# Altium PCB EDA-03518-V3-0_pcb.pcbdoc (part 1 of 14) (continued)
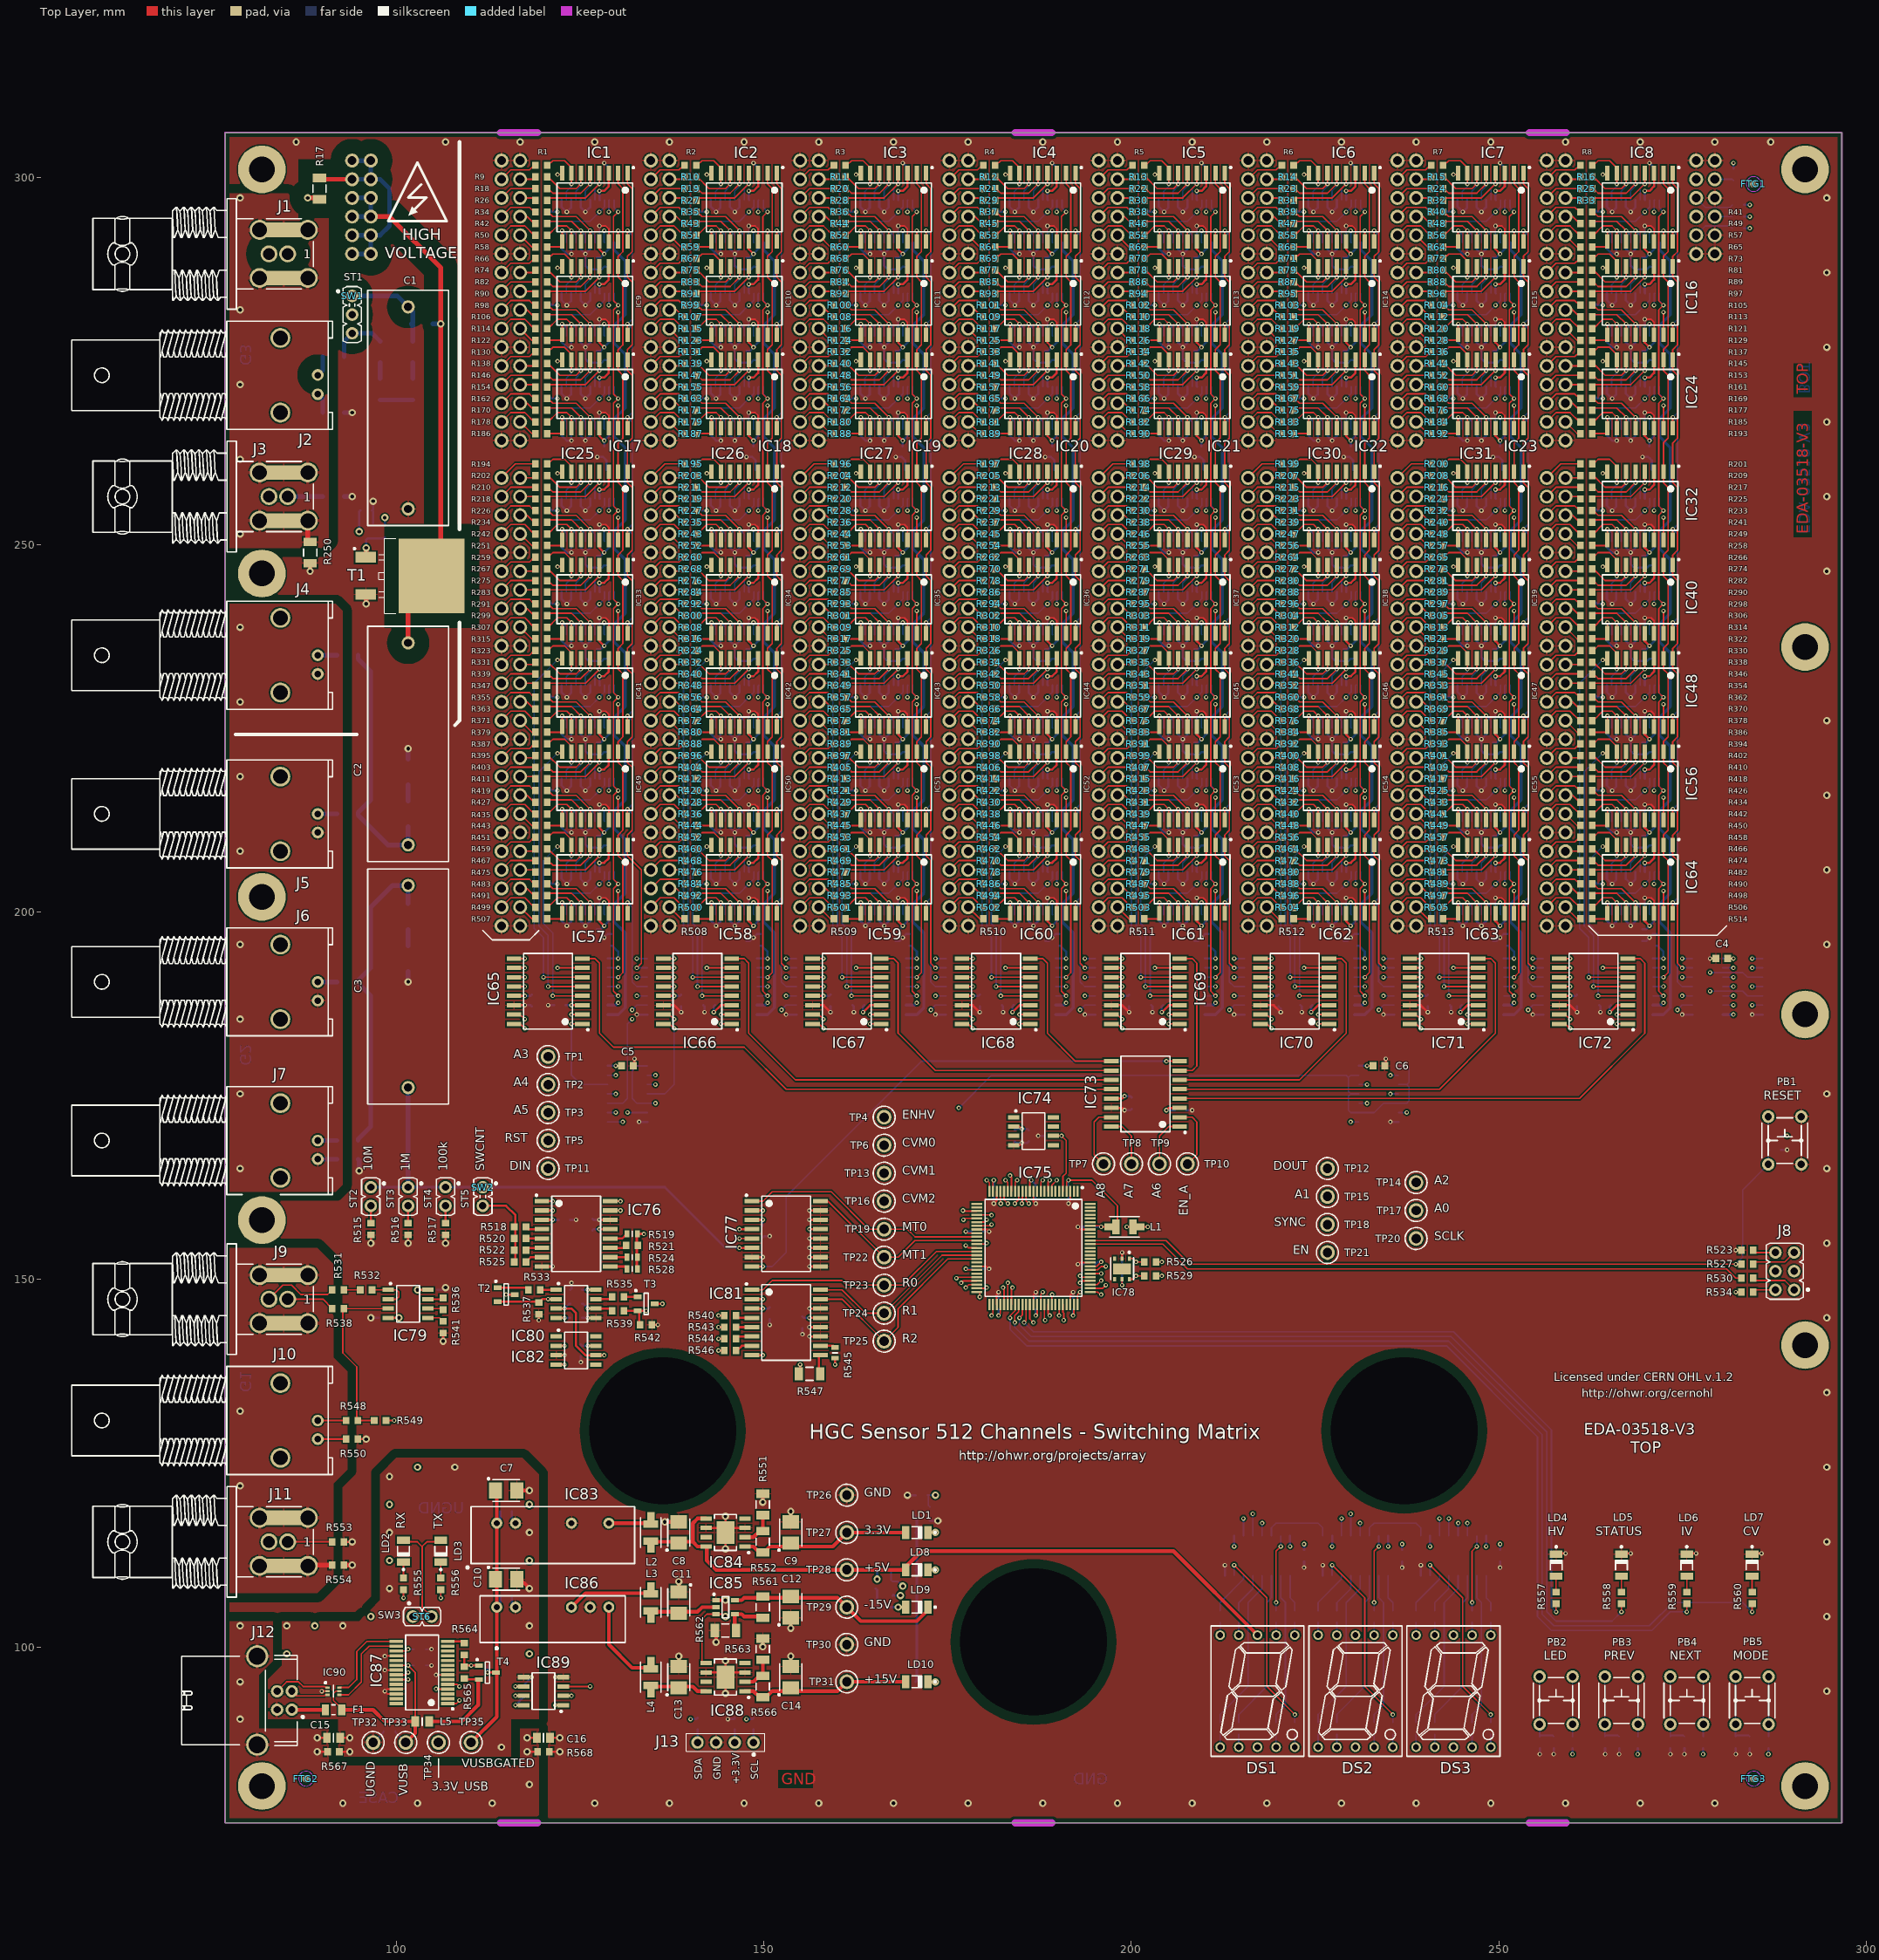
[diagram p0: Top Layer view]
## Design rules (kind name [scope] priority, off if disabled: settings) (continued)
RoomDefinition 73 [InComponentClass('73')] p12: confinementstyle=ConfineIn formatcopy=TRUE lockcomponents=FALSE outline 158.115,286.385 173.99,286.385 173.99,302.895 158.115,302.895
RoomDefinition 72 [InComponentClass('72')] p13: confinementstyle=ConfineIn formatcopy=TRUE lockcomponents=FALSE outline 137.795,286.385 153.67,286.385 153.67,302.895 137.795,302.895
RoomDefinition 71 [InComponentClass('71')] p14: confinementstyle=ConfineIn formatcopy=TRUE lockcomponents=FALSE outline 117.475,286.385 133.35,286.385 133.35,302.895 117.475,302.895
RoomDefinition 68 [InComponentClass('68')] p15: confinementstyle=ConfineIn formatcopy=TRUE lockcomponents=FALSE outline 259.715,273.685 275.59,273.685 275.59,290.195 259.715,290.195
RoomDefinition 67 [InComponentClass('67')] p16: confinementstyle=ConfineIn formatcopy=TRUE lockcomponents=FALSE outline 239.395,273.685 255.27,273.685 255.27,290.195 239.395,290.195
RoomDefinition 66 [InComponentClass('66')] p17: confinementstyle=ConfineIn formatcopy=TRUE lockcomponents=FALSE outline 219.075,273.685 234.95,273.685 234.95,290.195 219.075,290.195
RoomDefinition 65 [InComponentClass('65')] p18: confinementstyle=ConfineIn formatcopy=TRUE lockcomponents=FALSE outline 198.755,273.685 214.63,273.685 214.63,290.195 198.755,290.195
RoomDefinition 64 [InComponentClass('64')] p19: confinementstyle=ConfineIn formatcopy=TRUE lockcomponents=FALSE outline 178.435,273.685 194.31,273.685 194.31,290.195 178.435,290.195
RoomDefinition 63 [InComponentClass('63')] p20: confinementstyle=ConfineIn formatcopy=TRUE lockcomponents=FALSE outline 158.115,273.685 173.99,273.685 173.99,290.195 158.115,290.195
RoomDefinition 62 [InComponentClass('62')] p21: confinementstyle=ConfineIn formatcopy=TRUE lockcomponents=FALSE outline 137.795,273.685 153.67,273.685 153.67,290.195 137.795,290.195
RoomDefinition 61 [InComponentClass('61')] p22: confinementstyle=ConfineIn formatcopy=TRUE lockcomponents=FALSE outline 117.475,273.685 133.35,273.685 133.35,290.195 117.475,290.195
RoomDefinition 58 [InComponentClass('58')] p23: confinementstyle=ConfineIn formatcopy=TRUE lockcomponents=FALSE outline 259.715,260.35 275.59,260.35 275.59,277.495 259.715,277.495
RoomDefinition 57 [InComponentClass('57')] p24: confinementstyle=ConfineIn formatcopy=TRUE lockcomponents=FALSE outline 239.395,260.35 255.27,260.35 255.27,277.495 239.395,277.495
RoomDefinition 56 [InComponentClass('56')] p25: confinementstyle=ConfineIn formatcopy=TRUE lockcomponents=FALSE outline 219.075,260.35 234.95,260.35 234.95,277.495 219.075,277.495
RoomDefinition 55 [InComponentClass('55')] p26: confinementstyle=ConfineIn formatcopy=TRUE lockcomponents=FALSE outline 198.755,260.35 214.63,260.35 214.63,277.495 198.755,277.495
RoomDefinition 53 [InComponentClass('53')] p27: confinementstyle=ConfineIn formatcopy=TRUE lockcomponents=FALSE outline 158.115,260.35 173.99,260.35 173.99,277.495 158.115,277.495
RoomDefinition 52 [InComponentClass('52')] p28: confinementstyle=ConfineIn formatcopy=TRUE lockcomponents=FALSE outline 137.795,260.35 153.67,260.35 153.67,277.495 137.795,277.495
RoomDefinition 51 [InComponentClass('51')] p29: confinementstyle=ConfineIn formatcopy=TRUE lockcomponents=FALSE outline 117.475,260.35 133.35,260.35 133.35,277.495 117.475,277.495
RoomDefinition 48 [InComponentClass('48')] p30: confinementstyle=ConfineIn formatcopy=TRUE lockcomponents=FALSE outline 259.715,245.745 275.59,245.745 275.59,262.255 259.715,262.255
RoomDefinition 47 [InComponentClass('47')] p31: confinementstyle=ConfineIn formatcopy=TRUE lockcomponents=FALSE outline 239.395,245.745 255.27,245.745 255.27,262.255 239.395,262.255
RoomDefinition 46 [InComponentClass('46')] p32: confinementstyle=ConfineIn formatcopy=TRUE lockcomponents=FALSE outline 219.075,245.745 234.95,245.745 234.95,262.255 219.075,262.255
RoomDefinition 45 [InComponentClass('45')] p33: confinementstyle=ConfineIn formatcopy=TRUE lockcomponents=FALSE outline 198.755,245.745 214.63,245.745 214.63,262.255 198.755,262.255
RoomDefinition 44 [InComponentClass('44')] p34: confinementstyle=ConfineIn formatcopy=TRUE lockcomponents=FALSE outline 178.435,245.745 194.31,245.745 194.31,262.255 178.435,262.255
RoomDefinition 43 [InComponentClass('43')] p35: confinementstyle=ConfineIn formatcopy=TRUE lockcomponents=FALSE outline 158.115,245.745 173.99,245.745 173.99,262.255 158.115,262.255
RoomDefinition 42 [InComponentClass('42')] p36: confinementstyle=ConfineIn formatcopy=TRUE lockcomponents=FALSE outline 137.795,245.745 153.67,245.745 153.67,262.255 137.795,262.255
RoomDefinition 41 [InComponentClass('41')] p37: confinementstyle=ConfineIn formatcopy=TRUE lockcomponents=FALSE outline 117.475,245.745 133.35,245.745 133.35,262.255 117.475,262.255
RoomDefinition 38 [InComponentClass('38')] p38: confinementstyle=ConfineIn formatcopy=TRUE lockcomponents=FALSE outline 259.715,233.045 275.59,233.045 275.59,249.555 259.715,249.555
RoomDefinition 37 [InComponentClass('37')] p39: confinementstyle=ConfineIn formatcopy=TRUE lockcomponents=FALSE outline 239.395,233.045 255.27,233.045 255.27,249.555 239.395,249.555
RoomDefinition 36 [InComponentClass('36')] p40: confinementstyle=ConfineIn formatcopy=TRUE lockcomponents=FALSE outline 219.075,233.045 234.95,233.045 234.95,249.555 219.075,249.555
RoomDefinition 35 [InComponentClass('35')] p41: confinementstyle=ConfineIn formatcopy=TRUE lockcomponents=FALSE outline 198.755,233.045 214.63,233.045 214.63,249.555 198.755,249.555
RoomDefinition 34 [InComponentClass('34')] p42: confinementstyle=ConfineIn formatcopy=TRUE lockcomponents=FALSE outline 178.435,233.045 194.31,233.045 194.31,249.555 178.435,249.555
RoomDefinition 33 [InComponentClass('33')] p43: confinementstyle=ConfineIn formatcopy=TRUE lockcomponents=FALSE outline 158.115,233.045 173.99,233.045 173.99,249.555 158.115,249.555
RoomDefinition 32 [InComponentClass('32')] p44: confinementstyle=ConfineIn formatcopy=TRUE lockcomponents=FALSE outline 137.795,233.045 153.67,233.045 153.67,249.555 137.795,249.555
RoomDefinition 31 [InComponentClass('31')] p45: confinementstyle=ConfineIn formatcopy=TRUE lockcomponents=FALSE outline 117.475,233.045 133.35,233.045 133.35,249.555 117.475,249.555
RoomDefinition 28 [InComponentClass('28')] p46: confinementstyle=ConfineIn formatcopy=TRUE lockcomponents=FALSE outline 259.715,220.345 275.59,220.345 275.59,236.855 259.715,236.855
RoomDefinition 27 [InComponentClass('27')] p47: confinementstyle=ConfineIn formatcopy=TRUE lockcomponents=FALSE outline 239.395,220.345 255.27,220.345 255.27,236.855 239.395,236.855
RoomDefinition 26 [InComponentClass('26')] p48: confinementstyle=ConfineIn formatcopy=TRUE lockcomponents=FALSE outline 219.075,220.345 234.95,220.345 234.95,236.855 219.075,236.855
RoomDefinition 25 [InComponentClass('25')] p49: confinementstyle=ConfineIn formatcopy=TRUE lockcomponents=FALSE outline 198.755,220.345 214.63,220.345 214.63,236.855 198.755,236.855
RoomDefinition 24 [InComponentClass('24')] p50: confinementstyle=ConfineIn formatcopy=TRUE lockcomponents=FALSE outline 178.435,220.345 194.31,220.345 194.31,236.855 178.435,236.855
RoomDefinition 23 [InComponentClass('23')] p51: confinementstyle=ConfineIn formatcopy=TRUE lockcomponents=FALSE outline 158.115,220.345 173.99,220.345 173.99,236.855 158.115,236.855
RoomDefinition 22 [InComponentClass('22')] p52: confinementstyle=ConfineIn formatcopy=TRUE lockcomponents=FALSE outline 137.795,220.345 153.67,220.345 153.67,236.855 137.795,236.855
RoomDefinition 21 [InComponentClass('21')] p53: confinementstyle=ConfineIn formatcopy=TRUE lockcomponents=FALSE outline 117.475,220.345 133.35,220.345 133.35,236.855 117.475,236.855
RoomDefinition 18 [InComponentClass('18')] p54: confinementstyle=ConfineIn formatcopy=TRUE lockcomponents=FALSE outline 259.715,207.645 275.59,207.645 275.59,224.155 259.715,224.155
RoomDefinition 17 [InComponentClass('17')] p55: confinementstyle=ConfineIn formatcopy=TRUE lockcomponents=FALSE outline 239.395,207.645 255.27,207.645 255.27,224.155 239.395,224.155
RoomDefinition 16 [InComponentClass('16')] p56: confinementstyle=ConfineIn formatcopy=TRUE lockcomponents=FALSE outline 219.075,207.645 234.95,207.645 234.95,224.155 219.075,224.155
RoomDefinition 15 [InComponentClass('15')] p57: confinementstyle=ConfineIn formatcopy=TRUE lockcomponents=FALSE outline 198.755,207.645 214.63,207.645 214.63,224.155 198.755,224.155
RoomDefinition 14 [InComponentClass('14')] p58: confinementstyle=ConfineIn formatcopy=TRUE lockcomponents=FALSE outline 178.435,207.645 194.31,207.645 194.31,224.155 178.435,224.155
RoomDefinition 13 [InComponentClass('13')] p59: confinementstyle=ConfineIn formatcopy=TRUE lockcomponents=FALSE outline 158.115,207.645 173.99,207.645 173.99,224.155 158.115,224.155
RoomDefinition 12 [InComponentClass('12')] p60: confinementstyle=ConfineIn formatcopy=TRUE lockcomponents=FALSE outline 137.795,207.645 153.67,207.645 153.67,224.155 137.795,224.155
RoomDefinition 11 [InComponentClass('11')] p61: confinementstyle=ConfineIn formatcopy=TRUE lockcomponents=FALSE outline 117.475,207.645 133.35,207.645 133.35,224.155 117.475,224.155
RoomDefinition 08 [InComponentClass('08')] p62: confinementstyle=ConfineIn formatcopy=TRUE lockcomponents=FALSE outline 259.715,194.945 275.59,194.945 275.59,211.455 259.715,211.455
RoomDefinition 7 [InComponentClass('7')] p63: confinementstyle=ConfineIn formatcopy=TRUE lockcomponents=FALSE outline 252.73,182.88 278.13,182.88 278.13,306.705 252.73,306.705
RoomDefinition 07 [InComponentClass('07')] p64: confinementstyle=ConfineIn formatcopy=TRUE lockcomponents=FALSE outline 239.395,194.945 255.27,194.945 255.27,211.455 239.395,211.455
RoomDefinition 6 [InComponentClass('6')] p65: confinementstyle=ConfineIn formatcopy=TRUE lockcomponents=FALSE outline 232.41,182.88 257.81,182.88 257.81,306.705 232.41,306.705
RoomDefinition 06 [InComponentClass('06')] p66: confinementstyle=ConfineIn formatcopy=TRUE lockcomponents=FALSE outline 219.075,194.945 234.95,194.945 234.95,211.455 219.075,211.455
RoomDefinition 5 [InComponentClass('5')] p67: confinementstyle=ConfineIn formatcopy=TRUE lockcomponents=FALSE outline 212.09,182.88 237.49,182.88 237.49,306.705 212.09,306.705
RoomDefinition 05 [InComponentClass('05')] p68: confinementstyle=ConfineIn formatcopy=TRUE lockcomponents=FALSE outline 198.755,194.945 214.63,194.945 214.63,211.455 198.755,211.455
RoomDefinition 4 [InComponentClass('4')] p69: confinementstyle=ConfineIn formatcopy=TRUE lockcomponents=FALSE outline 191.77,182.88 217.17,182.88 217.17,306.705 191.77,306.705
RoomDefinition 04 [InComponentClass('04')] p70: confinementstyle=ConfineIn formatcopy=TRUE lockcomponents=FALSE outline 178.435,194.945 194.31,194.945 194.31,211.455 178.435,211.455
RoomDefinition 3 [InComponentClass('3')] p71: confinementstyle=ConfineIn formatcopy=TRUE lockcomponents=FALSE outline 171.45,182.88 196.85,182.88 196.85,306.705 171.45,306.705
RoomDefinition 03 [InComponentClass('03')] p72: confinementstyle=ConfineIn formatcopy=TRUE lockcomponents=FALSE outline 158.115,194.945 173.99,194.945 173.99,211.455 158.115,211.455
RoomDefinition 2 [InComponentClass('2')] p73: confinementstyle=ConfineIn formatcopy=TRUE lockcomponents=FALSE outline 151.13,182.88 176.53,182.88 176.53,306.705 151.13,306.705
RoomDefinition 02 [InComponentClass('02')] p74: confinementstyle=ConfineIn formatcopy=TRUE lockcomponents=FALSE outline 137.795,194.945 153.67,194.945 153.67,211.455 137.795,211.455
RoomDefinition 1 [InComponentClass('1')] p75: confinementstyle=ConfineIn formatcopy=TRUE lockcomponents=FALSE outline 130.81,182.88 156.21,182.88 156.21,306.705 130.81,306.705
RoomDefinition 01 [InComponentClass('01')] p76: confinementstyle=ConfineIn formatcopy=TRUE lockcomponents=FALSE outline 117.475,194.945 133.35,194.945 133.35,211.455 117.475,211.455
RoomDefinition 0 [InComponentClass('0')] p77: confinementstyle=ConfineIn formatcopy=TRUE lockcomponents=FALSE outline 110.49,182.88 135.89,182.88 135.89,306.705 110.49,306.705
RoomDefinition 54 [InComponentClass('54')] p78: confinementstyle=ConfineIn formatcopy=TRUE lockcomponents=FALSE outline 178.435,260.35 194.31,260.35 194.31,277.495 178.435,277.495
RoutingVias RoutingVias_NoNet [Not IsElectrical] p1: holewidth=0 width=0 viastyle="Through Hole" minholewidth=0 minwidth=0 maxholewidth=0 maxwidth=0
RoutingVias [All] p2: holewidth=0.3 width=0.6 viastyle="Through Hole" minholewidth=0.3 minwidth=0.6 maxholewidth=0.5 maxwidth=1
SilkToSilkClearance [All] p1: silktosilkclearance=0.2
SilkToSolderMaskClearance SilkscreenOverComponentPads [IsPad] p1: minsilkscreentomaskgap=0.2 clearancetoexposedcopper=TRUE
SolderMaskExpansion [All] p1: expansion=0
ViasUnderSMD ViasUnderSMD_Allow [HasFootprint('CINCH_CBBJR79A') or HasFootprint ('STELVIO-KONTEK_3131730000402')] p1: allowed=TRUE
ViasUnderSMD [All] p2: allowed=FALSE
Width Width_SCLK [InNetClass('SCLK')] p1: maxlimit=0.508 minlimit=0.406 preferedwidth=0.406
Width [All] p2: maxlimit=2.54 minlimit=0.203 preferedwidth=0.305
18 further rules are at their usual default settings.

## Classes and differential pairs
net class HV: HV HVSH NetC1_2 NetJ1_1 NetJ1_2 NetJ2_1 NetR590_2 NetR591_1 NetR591_2 NetR593_2
pad class MountingNC: Free-P2000NP
channel class group64chn: 0 1 2 3 4 5 6
channel class group8chn: 01 02 03 04 05 06 07 08 13 14 15 16 17 18 22 23 24 25 26 27 32 33 34 35 36 41 42 43 45 46 47 48 52 55 56 57 62 63 64 66 67 68 71 72 73 74 76 77 78 CM
net class SCLK: SCLKB SCLKB_1 SCLKB_2 SCLKB_3 SCLKB_4 SCLKB_5 SCLKB_6 SCLKB_7 SCLKB_8
component class 0: C152 C160 C168 IC65 IC163 J22 J31
component class 01: C136 C144 IC57 IC154 R451 R459 R467 R475 R483 R491 R499 R507 R648
component class 1: C151 C159 C167 IC66 IC162 J21 J30
component class 02: C135 C143 IC58 IC153 R452 R460 R468 R476 R484 R492 R500 R508 R647
component class 2: C150 C158 C166 IC67 IC161 J20 J29
component class 03: C134 C142 IC59 IC152 R453 R461 R469 R477 R485 R493 R501 R509 R646
component class 3: C149 C157 C165 IC68 IC160 J19 J28
component class 04: C133 C141 IC60 IC151 R454 R462 R470 R478 R486 R494 R502 R510 R645
component class 4: C148 C156 C164 IC69 IC159 J18 J27
component class 05: C132 C140 IC61 IC150 R455 R463 R471 R479 R487 R495 R503 R511 R644
component class 5: C147 C155 C163 IC70 IC158 J17 J26
component class 06: C131 C139 IC62 IC149 R456 R464 R472 R480 R488 R496 R504 R512 R643
component class 6: C146 C154 C162 IC71 IC157 J16 J25
component class 07: C130 C138 IC63 IC148 R457 R465 R473 R481 R489 R497 R505 R513 R642
component class 7: C145 C153 C161 IC72 IC156 J15 J24
component class 08: C129 C137 IC64 IC147 R458 R466 R474 R482 R490 R498 R506 R514 R641
component class 11: C120 C128 IC49 IC146 R387 R395 R403 R411 R419 R427 R435 R443 R639
component class 12: C119 C127 IC50 IC145 R388 R396 R404 R412 R420 R428 R436 R444 R638
component class 13: C118 C126 IC51 IC144 R389 R397 R405 R413 R421 R429 R437 R445 R637
component class 14: C117 C125 IC52 IC143 R390 R398 R406 R414 R422 R430 R438 R446 R636
component class 15: C116 C124 IC53 IC142 R391 R399 R407 R415 R423 R431 R439 R447 R635
component class 16: C115 C123 IC54 IC141 R392 R400 R408 R416 R424 R432 R440 R448 R634
component class 17: C114 C122 IC55 IC140 R393 R401 R409 R417 R425 R433 R441 R449 R633
component class 18: C113 C121 IC56 IC139 R394 R402 R410 R418 R426 R434 R442 R450 R632
component class 21: C104 C112 IC41 IC138 R323 R331 R339 R347 R355 R363 R371 R379 R631
component class 22: C103 C111 IC42 IC137 R324 R332 R340 R348 R356 R364 R372 R380 R630
component class 23: C102 C110 IC43 IC136 R325 R333 R341 R349 R357 R365 R373 R381 R629
component class 24: C101 C109 IC44 IC135 R326 R334 R342 R350 R358 R366 R374 R382 R628
component class 25: C100 C108 IC45 IC134 R327 R335 R343 R351 R359 R367 R375 R383 R627
component class 26: C99 C107 IC46 IC133 R328 R336 R344 R352 R360 R368 R376 R384 R626
component class 27: C98 C106 IC47 IC132 R329 R337 R345 R353 R361 R369 R377 R385 R625
component class 28: C97 C105 IC48 IC131 R330 R338 R346 R354 R362 R370 R378 R386 R624
component class 31: C88 C96 IC33 IC130 R259 R267 R275 R283 R291 R299 R307 R315 R622
component class 32: C87 C95 IC34 IC129 R260 R268 R276 R284 R292 R300 R308 R316 R621
component class 33: C86 C94 IC35 IC128 R261 R269 R277 R285 R293 R301 R309 R317 R620
component class 34: C85 C93 IC36 IC127 R262 R270 R278 R286 R294 R302 R310 R318 R619
component class 35: C84 C92 IC37 IC126 R263 R271 R279 R287 R295 R303 R311 R319 R618
component class 36: C83 C91 IC38 IC125 R264 R272 R280 R288 R296 R304 R312 R320 R617
component class 37: C82 C90 IC39 IC124 R265 R273 R281 R289 R297 R305 R313 R321 R616
component class 38: C81 C89 IC40 IC123 R266 R274 R282 R290 R298 R306 R314 R322 R615
component class 41: C72 C80 IC25 IC122 R194 R202 R210 R218 R226 R234 R242 R251 R612
component class 42: C71 C79 IC26 IC121 R195 R203 R211 R219 R227 R235 R243 R252 R611
component class 43: C70 C78 IC27 IC120 R196 R204 R212 R220 R228 R236 R244 R253 R610
component class 44: C69 C77 IC28 IC119 R197 R205 R213 R221 R229 R237 R245 R254 R609
component class 45: C68 C76 IC29 IC118 R198 R206 R214 R222 R230 R238 R246 R255 R608
component class 46: C67 C75 IC30 IC117 R199 R207 R215 R223 R231 R239 R247 R256 R607
component class 47: C66 C74 IC31 IC116 R200 R208 R216 R224 R232 R240 R248 R257 R606
component class 48: C65 C73 IC32 IC115 R201 R209 R217 R225 R233 R241 R249 R258 R605
component class 51: C56 C64 IC17 IC114 R130 R138 R146 R154 R162 R170 R178 R186 R602
component class 52: C55 C63 IC18 IC113 R131 R139 R147 R155 R163 R171 R179 R187 R601
component class 53: C54 C62 IC19 IC112 R132 R140 R148 R156 R164 R172 R180 R188 R600
component class 54: C53 C61 IC20 IC111 R133 R141 R149 R157 R165 R173 R181 R189 R599
component class 55: C52 C60 IC21 IC110 R134 R142 R150 R158 R166 R174 R182 R190 R598
component class 56: C51 C59 IC22 IC109 R135 R143 R151 R159 R167 R175 R183 R191 R597
component class 57: C50 C58 IC23 IC108 R136 R144 R152 R160 R168 R176 R184 R192 R596
component class 58: C49 C57 IC24 IC107 R137 R145 R153 R161 R169 R177 R185 R193 R595
component class 61: C40 C48 IC9 IC106 R66 R74 R82 R90 R98 R106 R114 R122 R588
component class 62: C39 C47 IC10 IC105 R67 R75 R83 R91 R99 R107 R115 R123 R587
component class 63: C38 C46 IC11 IC104 R68 R76 R84 R92 R100 R108 R116 R124 R586
component class 64: C37 C45 IC12 IC103 R69 R77 R85 R93 R101 R109 R117 R125 R585
component class 65: C36 C44 IC13 IC102 R70 R78 R86 R94 R102 R110 R118 R126 R584
component class 66: C35 C43 IC14 IC101 R71 R79 R87 R95 R103 R111 R119 R127 R583
component class 67: C34 C42 IC15 IC100 R72 R80 R88 R96 R104 R112 R120 R128 R582
component class 68: C33 C41 IC16 IC99 R73 R81 R89 R97 R105 R113 R121 R129 R581
component class 71: C24 C32 IC1 IC98 R1 R9 R18 R26 R34 R42 R50 R58 R578
component class 72: C23 C31 IC2 IC97 R2 R10 R19 R27 R35 R43 R51 R59 R577
component class 73: C22 C30 IC3 IC96 R3 R11 R20 R28 R36 R44 R52 R60 R576
component class 74: C21 C29 IC4 IC95 R4 R12 R21 R29 R37 R45 R53 R61 R575
component class 75: C20 C28 IC5 IC94 R5 R13 R22 R30 R38 R46 R54 R62 R574
component class 76: C19 C27 IC6 IC93 R6 R14 R23 R31 R39 R47 R55 R63 R573
component class 77: C18 C26 IC7 IC92 R7 R15 R24 R32 R40 R48 R56 R64 R572
component class 78: C17 C25 IC8 IC91 R8 R16 R25 R33 R41 R49 R57 R65 R571
component class Analog: C1 C2 C3 C178 C179 C180 C182 C188 C195 D1 D2 D3 D4 IC76 IC77 IC79 J1 J2 J3 J4 J5 J6 J7 J9 J10 J11 J23 R17 R250 R515 R516 R517 R518 R519 R520 R521 R522 R524 R525 R528 R531 R532 R536 R538 R541 R548 R549 R550 R553 R554 R589 R590 R591 R592 R593 R594 R603 R604 R613 R614 R623 R640 R649 R651 R652 ST1 ST2 ST3 ST4 ST5 SW1 SW2 T1 T5 TP1 TP2 TP3 TP4 TP5 TP6 TP7 TP8 TP9 TP10 TP11 TP12 TP13 TP14 TP15 TP16 TP17 TP18 TP19 TP20 TP21 TP22 TP23 TP24 TP25
component class CM: C187 C192 C193 C194 C196 C197 IC80 IC81 IC82 R533 R535 R537 R539 R540 R542 R543 R544 R545 R546 R547 R653 T2 T3
component class Display: C199 C200 C201 C210 C211 C212 C213 DS1 DS2 DS3 IC166 IC167 IC168 LD4 LD5 LD6 LD7 PB2 PB3 PB4 PB5 R557 R558 R559 R560 R659 R660 R661 R662 R663 R664 R665 R666 R667 R668 R669 R670 R674 R675 R676 R677 R678 R679 R680 R681 R682 R683 R684 R685 R686 R687 R688 R689 R690 R691 R692 R693
component class M: C4 C5 C6 C169 C170 IC73 IC155 IC164 IC165
component class NotMounted: C16 C187 C188 C192 C193 C194 C195 C196 C197 IC79 IC80 IC81 IC82 J1 J3 J9 J11 R531 R532 R533 R535 R536 R537 R538 R539 R540 R541 R542 R543 R544 R545 R546 R547 R553 R554 R568 R613 R614 R652 R653 T1 T2 T3 T5 TP1 TP2 TP3 TP4 TP5 TP6 TP7 TP8 TP9 TP10 TP11 TP12 TP13 TP14 TP15 TP16 TP17 TP18 TP19 TP20 TP21 TP22 TP23 TP24 TP25 TP26 TP27 TP28 TP29 TP30 TP31 TP32 TP33 TP34 TP35
component class Overlapping: ST1 ST2 ST3 ST4 ST5 ST6 SW1 SW2 SW3 SW6
component class switchingMatrix: C174 C184 C208 FTG1 FTG2 FTG3 FTG4 FTG5 FTG6 IC75 IC78 J8 J13 J14 PB1 R523 R526 R527 R529 R530 R534 R569 R570 R579 R580 R650 R672 R673
component class USB: C7 C8 C9 C10 C11 C12 C13 C14 C15 C16 C171 C172 C173 C175 C176 C177 C181 C183 C185 C186 C189 C190 C191 C198 C202 C203 C204 C205 C206 C207 C209 F1 IC74 IC83 IC84 IC85 IC86 IC87 IC88 IC89 IC90 J12 L1 L2 L3 L4 L5 LD1 LD2 LD3 LD8 LD9 LD10 R551 R552 R555 R556 R561 R562 R563 R564 R565 R566 R567 R568 R654 R655 R656 R657 R658 R671 ST6 SW3 T4 T6 T7 TP26 TP27 TP28 TP29 TP30 TP31 TP32 TP33 TP34 TP35

## Components (designator, comment, footprint, x,y, rotation, side; value= is the part's Value field where it differs from the comment)
C1 "1uF" CAPR2750-1100X3200X2100 101.6,268.605 r90 top
C2 "1uF" CAPR2750-1100X3200X2100 101.6,222.885 r270 top
C3 "1uF" CAPR2750-1100X3200X2100 101.6,189.865 r90 top
C4 "100nF" CAPC1608X87N 280.352,193.675 r0 top
C5 "100nF" CAPC1608X87N 131.445,179.07 r180 top
C6 "100nF" CAPC1608X87N 233.68,179.07 r180 top
C7 "22uF" CAPMP3528X210N 114.935,121.285 r0 top
C8 "22uF" CAPMP3528X210N 138.43,115.57 r90 top
C9 "22uF" CAPMP3528X210N 153.67,115.57 r90 top
C10 "22uF" CAPMP3528X210N 114.935,109.22 r0 top
C11 "22uF" CAPMP3528X210N 138.43,106.045 r270 top
C12 "22uF" CAPMP3528X210N 153.67,105.41 r90 top
C13 "22uF" CAPMP3528X210N 138.43,95.885 r90 top
C14 "22uF" CAPMP3528X210N 153.67,95.885 r90 top
C15 "4.7nF" CAPC2012X135N 91.44,87.63 r180 top
C16 "4.7nF" CAPC2012X135N 120.015,87.63 r180 top
C17 "100nF" CAPC1608X87N 271.145,299.72 r270 bottom (schematic designator C560)
C18 "100nF" CAPC1608X87N 250.825,299.72 r270 bottom (schematic designator C560)
C19 "100nF" CAPC1608X87N 230.505,299.72 r270 bottom (schematic designator C560)
C20 "100nF" CAPC1608X87N 210.185,299.72 r270 bottom (schematic designator C560)
C21 "100nF" CAPC1608X87N 189.865,299.72 r270 bottom (schematic designator C560)
C22 "100nF" CAPC1608X87N 169.545,299.72 r270 bottom (schematic designator C560)
C23 "100nF" CAPC1608X87N 149.225,299.72 r270 bottom (schematic designator C560)
C24 "100nF" CAPC1608X87N 128.905,299.72 r270 bottom (schematic designator C560)
C25 "100nF" CAPC1608X87N 269.558,288.29 r90 bottom (schematic designator C54)
C26 "100nF" CAPC1608X87N 249.237,288.29 r90 bottom (schematic designator C54)
C27 "100nF" CAPC1608X87N 228.917,288.29 r90 bottom (schematic designator C54)
C28 "100nF" CAPC1608X87N 208.597,288.29 r90 bottom (schematic designator C54)
C29 "100nF" CAPC1608X87N 188.278,288.29 r90 bottom (schematic designator C54)
C30 "100nF" CAPC1608X87N 167.957,288.29 r90 bottom (schematic designator C54)
C31 "100nF" CAPC1608X87N 147.637,288.29 r90 bottom (schematic designator C54)
C32 "100nF" CAPC1608X87N 127.317,288.29 r90 bottom (schematic designator C54)
C33 "100nF" CAPC1608X87N 271.145,287.02 r270 bottom (schematic designator C560)
C34 "100nF" CAPC1608X87N 250.825,287.02 r270 bottom (schematic designator C560)
C35 "100nF" CAPC1608X87N 230.505,287.02 r270 bottom (schematic designator C560)
C36 "100nF" CAPC1608X87N 210.185,287.02 r270 bottom (schematic designator C560)
C37 "100nF" CAPC1608X87N 189.865,287.02 r270 bottom (schematic designator C560)
C38 "100nF" CAPC1608X87N 169.545,287.02 r270 bottom (schematic designator C560)
C39 "100nF" CAPC1608X87N 149.225,287.02 r270 bottom (schematic designator C560)
C40 "100nF" CAPC1608X87N 128.905,287.02 r270 bottom (schematic designator C560)
C41 "100nF" CAPC1608X87N 269.558,275.59 r90 bottom (schematic designator C54)
C42 "100nF" CAPC1608X87N 249.237,275.59 r90 bottom (schematic designator C54)
C43 "100nF" CAPC1608X87N 228.917,275.59 r90 bottom (schematic designator C54)
C44 "100nF" CAPC1608X87N 208.597,275.59 r90 bottom (schematic designator C54)
C45 "100nF" CAPC1608X87N 188.278,275.59 r90 bottom (schematic designator C54)
C46 "100nF" CAPC1608X87N 167.957,275.59 r90 bottom (schematic designator C54)
C47 "100nF" CAPC1608X87N 147.637,275.59 r90 bottom (schematic designator C54)
C48 "100nF" CAPC1608X87N 127.317,275.59 r90 bottom (schematic designator C54)
C49 "100nF" CAPC1608X87N 271.145,274.32 r270 bottom (schematic designator C560)
C50 "100nF" CAPC1608X87N 250.825,274.32 r270 bottom (schematic designator C560)
C51 "100nF" CAPC1608X87N 230.505,274.32 r270 bottom (schematic designator C560)
C52 "100nF" CAPC1608X87N 210.185,274.32 r270 bottom (schematic designator C560)
C53 "100nF" CAPC1608X87N 189.865,274.32 r270 bottom (schematic designator C560)
C54 "100nF" CAPC1608X87N 169.545,274.32 r270 bottom (schematic designator C560)
C55 "100nF" CAPC1608X87N 149.225,274.32 r270 bottom (schematic designator C560)
C56 "100nF" CAPC1608X87N 128.905,274.32 r270 bottom (schematic designator C560)
C57 "100nF" CAPC1608X87N 270.51,262.572 r90 bottom (schematic designator C54)
C58 "100nF" CAPC1608X87N 250.19,262.572 r90 bottom (schematic designator C54)
C59 "100nF" CAPC1608X87N 229.87,262.572 r90 bottom (schematic designator C54)
C60 "100nF" CAPC1608X87N 209.55,262.572 r90 bottom (schematic designator C54)
C61 "100nF" CAPC1608X87N 189.23,262.572 r90 bottom (schematic designator C54)
C62 "100nF" CAPC1608X87N 168.91,262.572 r90 bottom (schematic designator C54)
C63 "100nF" CAPC1608X87N 148.59,262.572 r90 bottom (schematic designator C54)
C64 "100nF" CAPC1608X87N 128.27,262.572 r90 bottom (schematic designator C54)
C65 "100nF" CAPC1608X87N 271.145,259.08 r270 bottom (schematic designator C560)
C66 "100nF" CAPC1608X87N 250.825,259.08 r270 bottom (schematic designator C560)
C67 "100nF" CAPC1608X87N 230.505,259.08 r270 bottom (schematic designator C560)
C68 "100nF" CAPC1608X87N 210.185,259.08 r270 bottom (schematic designator C560)
C69 "100nF" CAPC1608X87N 189.865,259.08 r270 bottom (schematic designator C560)
C70 "100nF" CAPC1608X87N 169.545,259.08 r270 bottom (schematic designator C560)
C71 "100nF" CAPC1608X87N 149.225,259.08 r270 bottom (schematic designator C560)
C72 "100nF" CAPC1608X87N 128.905,259.08 r270 bottom (schematic designator C560)
C73 "100nF" CAPC1608X87N 269.558,247.65 r90 bottom (schematic designator C54)
C74 "100nF" CAPC1608X87N 249.237,247.65 r90 bottom (schematic designator C54)
C75 "100nF" CAPC1608X87N 228.917,247.65 r90 bottom (schematic designator C54)
C76 "100nF" CAPC1608X87N 208.597,247.65 r90 bottom (schematic designator C54)
C77 "100nF" CAPC1608X87N 188.278,247.65 r90 bottom (schematic designator C54)
C78 "100nF" CAPC1608X87N 167.957,247.65 r90 bottom (schematic designator C54)
C79 "100nF" CAPC1608X87N 147.637,247.65 r90 bottom (schematic designator C54)
C80 "100nF" CAPC1608X87N 127.317,247.65 r90 bottom (schematic designator C54)
C81 "100nF" CAPC1608X87N 271.145,246.38 r270 bottom (schematic designator C560)
C82 "100nF" CAPC1608X87N 250.825,246.38 r270 bottom (schematic designator C560)
C83 "100nF" CAPC1608X87N 230.505,246.38 r270 bottom (schematic designator C560)
C84 "100nF" CAPC1608X87N 210.185,246.38 r270 bottom (schematic designator C560)
C85 "100nF" CAPC1608X87N 189.865,246.38 r270 bottom (schematic designator C560)
C86 "100nF" CAPC1608X87N 169.545,246.38 r270 bottom (schematic designator C560)
C87 "100nF" CAPC1608X87N 149.225,246.38 r270 bottom (schematic designator C560)
C88 "100nF" CAPC1608X87N 128.905,246.38 r270 bottom (schematic designator C560)
C89 "100nF" CAPC1608X87N 269.558,234.95 r90 bottom (schematic designator C54)
C90 "100nF" CAPC1608X87N 249.237,234.95 r90 bottom (schematic designator C54)
C91 "100nF" CAPC1608X87N 228.917,234.95 r90 bottom (schematic designator C54)
C92 "100nF" CAPC1608X87N 208.597,234.95 r90 bottom (schematic designator C54)
C93 "100nF" CAPC1608X87N 188.278,234.95 r90 bottom (schematic designator C54)
C94 "100nF" CAPC1608X87N 167.957,234.95 r90 bottom (schematic designator C54)
C95 "100nF" CAPC1608X87N 147.637,234.95 r90 bottom (schematic designator C54)
C96 "100nF" CAPC1608X87N 127.317,234.95 r90 bottom (schematic designator C54)
C97 "100nF" CAPC1608X87N 271.145,233.68 r270 bottom (schematic designator C560)
C98 "100nF" CAPC1608X87N 250.825,233.68 r270 bottom (schematic designator C560)
C99 "100nF" CAPC1608X87N 230.505,233.68 r270 bottom (schematic designator C560)
C100 "100nF" CAPC1608X87N 210.185,233.68 r270 bottom (schematic designator C560)
C101 "100nF" CAPC1608X87N 189.865,233.68 r270 bottom (schematic designator C560)
C102 "100nF" CAPC1608X87N 169.545,233.68 r270 bottom (schematic designator C560)
C103 "100nF" CAPC1608X87N 149.225,233.68 r270 bottom (schematic designator C560)
C104 "100nF" CAPC1608X87N 128.905,233.68 r270 bottom (schematic designator C560)
C105 "100nF" CAPC1608X87N 269.558,222.25 r90 bottom (schematic designator C54)
C106 "100nF" CAPC1608X87N 249.237,222.25 r90 bottom (schematic designator C54)
C107 "100nF" CAPC1608X87N 228.917,222.25 r90 bottom (schematic designator C54)
C108 "100nF" CAPC1608X87N 208.597,222.25 r90 bottom (schematic designator C54)
C109 "100nF" CAPC1608X87N 188.278,222.25 r90 bottom (schematic designator C54)
C110 "100nF" CAPC1608X87N 167.957,222.25 r90 bottom (schematic designator C54)
C111 "100nF" CAPC1608X87N 147.637,222.25 r90 bottom (schematic designator C54)
C112 "100nF" CAPC1608X87N 127.317,222.25 r90 bottom (schematic designator C54)
C113 "100nF" CAPC1608X87N 271.145,220.98 r270 bottom (schematic designator C560)
C114 "100nF" CAPC1608X87N 250.825,220.98 r270 bottom (schematic designator C560)
C115 "100nF" CAPC1608X87N 230.505,220.98 r270 bottom (schematic designator C560)
C116 "100nF" CAPC1608X87N 210.185,220.98 r270 bottom (schematic designator C560)
C117 "100nF" CAPC1608X87N 189.865,220.98 r270 bottom (schematic designator C560)
C118 "100nF" CAPC1608X87N 169.545,220.98 r270 bottom (schematic designator C560)
C119 "100nF" CAPC1608X87N 149.225,220.98 r270 bottom (schematic designator C560)
C120 "100nF" CAPC1608X87N 128.905,220.98 r270 bottom (schematic designator C560)
C121 "100nF" CAPC1608X87N 269.558,209.55 r90 bottom (schematic designator C54)
C122 "100nF" CAPC1608X87N 249.237,209.55 r90 bottom (schematic designator C54)
C123 "100nF" CAPC1608X87N 228.917,209.55 r90 bottom (schematic designator C54)
C124 "100nF" CAPC1608X87N 208.597,209.55 r90 bottom (schematic designator C54)
C125 "100nF" CAPC1608X87N 188.278,209.55 r90 bottom (schematic designator C54)
C126 "100nF" CAPC1608X87N 167.957,209.55 r90 bottom (schematic designator C54)
C127 "100nF" CAPC1608X87N 147.637,209.55 r90 bottom (schematic designator C54)
C128 "100nF" CAPC1608X87N 127.317,209.55 r90 bottom (schematic designator C54)
C129 "100nF" CAPC1608X87N 271.145,208.28 r270 bottom (schematic designator C560)
C130 "100nF" CAPC1608X87N 250.825,208.28 r270 bottom (schematic designator C560)
C131 "100nF" CAPC1608X87N 230.505,208.28 r270 bottom (schematic designator C560)
C132 "100nF" CAPC1608X87N 210.185,208.28 r270 bottom (schematic designator C560)
C133 "100nF" CAPC1608X87N 189.865,208.28 r270 bottom (schematic designator C560)
C134 "100nF" CAPC1608X87N 169.545,208.28 r270 bottom (schematic designator C560)
C135 "100nF" CAPC1608X87N 149.225,208.28 r270 bottom (schematic designator C560)
C136 "100nF" CAPC1608X87N 128.905,208.28 r270 bottom (schematic designator C560)
C137 "100nF" CAPC1608X87N 269.558,196.85 r90 bottom (schematic designator C54)
C138 "100nF" CAPC1608X87N 249.237,196.85 r90 bottom (schematic designator C54)
C139 "100nF" CAPC1608X87N 228.917,196.85 r90 bottom (schematic designator C54)
C140 "100nF" CAPC1608X87N 208.597,196.85 r90 bottom (schematic designator C54)
C141 "100nF" CAPC1608X87N 188.278,196.85 r90 bottom (schematic designator C54)
C142 "100nF" CAPC1608X87N 167.957,196.85 r90 bottom (schematic designator C54)
C143 "100nF" CAPC1608X87N 147.637,196.85 r90 bottom (schematic designator C54)
C144 "100nF" CAPC1608X87N 127.317,196.85 r90 bottom (schematic designator C54)
C145 "100nF" CAPC1608X87N 271.462,196.215 r270 bottom (schematic designator C56)
C146 "100nF" CAPC1608X87N 251.142,196.215 r270 bottom (schematic designator C56)
C147 "100nF" CAPC1608X87N 230.822,196.215 r270 bottom (schematic designator C56)
C148 "100nF" CAPC1608X87N 210.502,196.215 r270 bottom (schematic designator C56)
C149 "100nF" CAPC1608X87N 190.183,196.215 r270 bottom (schematic designator C56)
C150 "100nF" CAPC1608X87N 169.862,196.215 r270 bottom (schematic designator C56)
C151 "100nF" CAPC1608X87N 149.542,196.215 r270 bottom (schematic designator C56)
C152 "100nF" CAPC1608X87N 129.222,196.215 r270 bottom (schematic designator C56)
C153 "100nF" CAPC1608X87N 260.667,187.96 r90 bottom (schematic designator C57)
C154 "100nF" CAPC1608X87N 240.347,187.96 r90 bottom (schematic designator C57)
C155 "100nF" CAPC1608X87N 220.028,187.96 r90 bottom (schematic designator C57)
C156 "100nF" CAPC1608X87N 199.707,187.96 r90 bottom (schematic designator C57)
C157 "100nF" CAPC1608X87N 179.387,187.96 r90 bottom (schematic designator C57)
C158 "100nF" CAPC1608X87N 159.067,187.96 r90 bottom (schematic designator C57)
C159 "100nF" CAPC1608X87N 138.748,187.96 r90 bottom (schematic designator C57)
C160 "100nF" CAPC1608X87N 118.427,187.96 r90 bottom (schematic designator C57)
C161 "100nF" CAPC1608X87N 264.477,187.325 r0 bottom (schematic designator C58)
C162 "100nF" CAPC1608X87N 244.157,187.325 r0 bottom (schematic designator C58)
C163 "100nF" CAPC1608X87N 223.837,187.325 r0 bottom (schematic designator C58)
C164 "100nF" CAPC1608X87N 203.517,187.325 r0 bottom (schematic designator C58)
C165 "100nF" CAPC1608X87N 183.197,187.325 r0 bottom (schematic designator C58)
C166 "100nF" CAPC1608X87N 162.877,187.325 r0 bottom (schematic designator C58)
C167 "100nF" CAPC1608X87N 142.558,187.325 r0 bottom (schematic designator C58)
C168 "100nF" CAPC1608X87N 122.237,187.325 r0 bottom (schematic designator C58)
C169 "100nF" CAPC1608X87N 200.025,173.99 r90 bottom
C170 "100nF" CAPC1608X87N 206.692,173.037 r180 bottom
C171 "100nF" CAPC1608X87N 184.15,169.545 r90 bottom
C172 "10uF" CAPC1608X80N 186.055,169.545 r90 bottom
C173 "100nF" CAPC1608X87N 188.912,169.545 r0 bottom
C174 "100nF" CAPC1608X87N 287.655,167.64 r180 bottom
C175 "100nF" CAPC1608X87N 191.452,161.925 r90 bottom
C176 "100nF" CAPC1608X87N 187.007,161.925 r270 bottom
C177 "100nF" CAPC1608X87N 181.292,161.925 r270 bottom
C178 "100nF" CAPC1608X87N 126.682,157.48 r270 bottom
C179 "100nF" CAPC1608X87N 122.872,158.115 r0 bottom
C180 "100nF" CAPC1608X87N 149.86,156.528 r270 bottom
C181 "100nF" CAPC1608X87N 194.31,157.162 r0 bottom
C182 "100nF" CAPC1608X87N 157.48,156.21 r90 bottom
C183 "100nF" CAPC1608X87N 179.07,156.528 r0 bottom
C184 "100nF" CAPC1608X87N 198.755,151.447 r270 bottom
C185 "100nF" CAPC1608X87N 194.31,152.082 r180 bottom
C186 "100nF" CAPC1608X87N 179.07,151.447 r0 bottom
C187 "100nF" CAPC1608X87N 124.46,148.59 r0 bottom
C188 "100nF" CAPC1608X87N 104.775,148.59 r180 bottom
C189 "100nF" CAPC1608X87N 192.088,146.685 r90 bottom
C190 "100nF" CAPC1608X87N 187.007,146.685 r90 bottom
C191 "100nF" CAPC1608X87N 181.927,146.685 r90 bottom
C192 "100nF" CAPC1608X87N 150.812,145.415 r90 bottom
C193 "100nF" CAPC1608X87N 155.257,144.145 r90 bottom
C194 "100nF" CAPC1608X87N 124.46,144.78 r180 bottom
C195 "100nF" CAPC1608X87N 98.425,144.78 r180 bottom
C196 "100nF" CAPC1608X87N 125.095,140.335 r90 bottom
C197 "100nF" CAPC1608X87N 121.602,139.065 r270 bottom
C198 "10nF" CAPC1608X87N 114.935,118.427 r180 bottom
C199 "100nF" CAPC1608X87N 250.19,112.395 r90 bottom
C200 "100nF" CAPC1608X87N 236.855,112.395 r90 bottom
C201 "100nF" CAPC1608X87N 223.52,112.395 r90 bottom
C202 "10nF" CAPC1608X87N 114.935,106.998 r180 bottom
C203 "100nF" CAPC1608X87N 103.188,99.695 r180 bottom
C204 "100nF" CAPC1608X87N 111.76,97.472 r0 bottom
C205 "100nF" CAPC1608X87N 103.188,97.472 r180 bottom
C206 "100nF" CAPC1608X87N 121.602,93.98 r270 bottom
C207 "100nF" CAPC1608X87N 117.475,93.98 r270 bottom
C208 "100nF" CAPC1608X87N 146.05,89.535 r270 bottom
C209 "10nF" CAPC1608X87N 99.06,88.582 r0 bottom
C210 "100nF" CAPC1608X87N 284.162,86.995 r90 bottom
C211 "100nF" CAPC1608X87N 275.272,86.995 r90 bottom
C212 "100nF" CAPC1608X87N 266.382,86.995 r90 bottom
C213 "100nF" CAPC1608X87N 257.493,86.995 r90 bottom
D1 "BZV55-B10" DIOMELF3515N 101.6,219.075 r90 bottom
D2 "BZV55-B10" DIOMELF3515N 101.6,213.36 r270 bottom
D3 "BZV55-B10" DIOMELF3515N 101.6,199.39 r90 bottom
D4 "BZV55-B10" DIOMELF3515N 101.6,193.675 r270 bottom
DS1 "SA52-11SRWA" DS_KINGBRIGHT_SA52-11SRWA 217.17,93.98 r0 top
DS2 "SA52-11SRWA" DS_KINGBRIGHT_SA52-11SRWA 230.505,93.98 r0 top
DS3 "SA52-11SRWA" DS_KINGBRIGHT_SA52-11SRWA 243.84,93.98 r0 top
F1 "500mA-6V" FUSR_BOURNS_MF-PSMF050 91.44,91.44 r0 top
FTG1 "Use only in PCB" FIDUCIAL_TOP_C100-200 284.69,299.07 r0 top
FTG2 "Use only in PCB" FIDUCIAL_TOP_C100-200 87.69,82.07 r0 top
FTG3 "Use only in PCB" FIDUCIAL_TOP_C100-200 284.69,82.07 r0 top
FTG4 "Use only in PCB" FIDUCIAL_TOP_C100-200 103.69,299.07 r180 bottom
FTG5 "Use only in PCB" FIDUCIAL_TOP_C100-200 284.69,82.07 r180 bottom
FTG6 "Use only in PCB" FIDUCIAL_TOP_C100-200 87.69,82.07 r180 bottom
IC1 "MAX328EWE+" SOIC127P1032X265-16N 127,295.91 r270 top (schematic designator IC23)
IC2 "MAX328EWE+" SOIC127P1032X265-16N 147.32,295.91 r270 top (schematic designator IC23)
IC3 "MAX328EWE+" SOIC127P1032X265-16N 167.64,295.91 r270 top (schematic designator IC23)
IC4 "MAX328EWE+" SOIC127P1032X265-16N 187.96,295.91 r270 top (schematic designator IC23)
IC5 "MAX328EWE+" SOIC127P1032X265-16N 208.28,295.91 r270 top (schematic designator IC23)
IC6 "MAX328EWE+" SOIC127P1032X265-16N 228.6,295.91 r270 top (schematic designator IC23)
IC7 "MAX328EWE+" SOIC127P1032X265-16N 248.92,295.91 r270 top (schematic designator IC23)
IC8 "MAX328EWE+" SOIC127P1032X265-16N 269.24,295.91 r270 top (schematic designator IC23)
IC9 "MAX328EWE+" SOIC127P1032X265-16N 127,283.21 r270 top (schematic designator IC23)
IC10 "MAX328EWE+" SOIC127P1032X265-16N 147.32,283.21 r270 top (schematic designator IC23)
IC11 "MAX328EWE+" SOIC127P1032X265-16N 167.64,283.21 r270 top (schematic designator IC23)
IC12 "MAX328EWE+" SOIC127P1032X265-16N 187.96,283.21 r270 top (schematic designator IC23)
IC13 "MAX328EWE+" SOIC127P1032X265-16N 208.28,283.21 r270 top (schematic designator IC23)
IC14 "MAX328EWE+" SOIC127P1032X265-16N 228.6,283.21 r270 top (schematic designator IC23)
IC15 "MAX328EWE+" SOIC127P1032X265-16N 248.92,283.21 r270 top (schematic designator IC23)
IC16 "MAX328EWE+" SOIC127P1032X265-16N 269.24,283.21 r270 top (schematic designator IC23)
IC17 "MAX328EWE+" SOIC127P1032X265-16N 127,270.51 r270 top (schematic designator IC23)
IC18 "MAX328EWE+" SOIC127P1032X265-16N 147.32,270.51 r270 top (schematic designator IC23)
IC19 "MAX328EWE+" SOIC127P1032X265-16N 167.64,270.51 r270 top (schematic designator IC23)
IC20 "MAX328EWE+" SOIC127P1032X265-16N 187.96,270.51 r270 top (schematic designator IC23)
IC21 "MAX328EWE+" SOIC127P1032X265-16N 208.28,270.51 r270 top (schematic designator IC23)
IC22 "MAX328EWE+" SOIC127P1032X265-16N 228.6,270.51 r270 top (schematic designator IC23)
IC23 "MAX328EWE+" SOIC127P1032X265-16N 248.92,270.51 r270 top
IC24 "MAX328EWE+" SOIC127P1032X265-16N 269.24,270.51 r270 top (schematic designator IC23)
IC25 "MAX328EWE+" SOIC127P1032X265-16N 127,255.27 r270 top (schematic designator IC23)
IC26 "MAX328EWE+" SOIC127P1032X265-16N 147.32,255.27 r270 top (schematic designator IC23)
IC27 "MAX328EWE+" SOIC127P1032X265-16N 167.64,255.27 r270 top (schematic designator IC23)
IC28 "MAX328EWE+" SOIC127P1032X265-16N 187.96,255.27 r270 top (schematic designator IC23)
IC29 "MAX328EWE+" SOIC127P1032X265-16N 208.28,255.27 r270 top (schematic designator IC23)
IC30 "MAX328EWE+" SOIC127P1032X265-16N 228.6,255.27 r270 top (schematic designator IC23)
IC31 "MAX328EWE+" SOIC127P1032X265-16N 248.92,255.27 r270 top (schematic designator IC23)
IC32 "MAX328EWE+" SOIC127P1032X265-16N 269.24,255.27 r270 top (schematic designator IC23)
IC33 "MAX328EWE+" SOIC127P1032X265-16N 127,242.57 r270 top (schematic designator IC23)
IC34 "MAX328EWE+" SOIC127P1032X265-16N 147.32,242.57 r270 top (schematic designator IC23)
IC35 "MAX328EWE+" SOIC127P1032X265-16N 167.64,242.57 r270 top (schematic designator IC23)
IC36 "MAX328EWE+" SOIC127P1032X265-16N 187.96,242.57 r270 top (schematic designator IC23)
IC37 "MAX328EWE+" SOIC127P1032X265-16N 208.28,242.57 r270 top (schematic designator IC23)
IC38 "MAX328EWE+" SOIC127P1032X265-16N 228.6,242.57 r270 top (schematic designator IC23)
IC39 "MAX328EWE+" SOIC127P1032X265-16N 248.92,242.57 r270 top (schematic designator IC23)
IC40 "MAX328EWE+" SOIC127P1032X265-16N 269.24,242.57 r270 top (schematic designator IC23)
IC41 "MAX328EWE+" SOIC127P1032X265-16N 127,229.87 r270 top (schematic designator IC23)
IC42 "MAX328EWE+" SOIC127P1032X265-16N 147.32,229.87 r270 top (schematic designator IC23)
IC43 "MAX328EWE+" SOIC127P1032X265-16N 167.64,229.87 r270 top (schematic designator IC23)
IC44 "MAX328EWE+" SOIC127P1032X265-16N 187.96,229.87 r270 top (schematic designator IC23)
IC45 "MAX328EWE+" SOIC127P1032X265-16N 208.28,229.87 r270 top (schematic designator IC23)
IC46 "MAX328EWE+" SOIC127P1032X265-16N 228.6,229.87 r270 top (schematic designator IC23)